# KiCad board UsbSourceMeasure.kicad_pcb (continued)
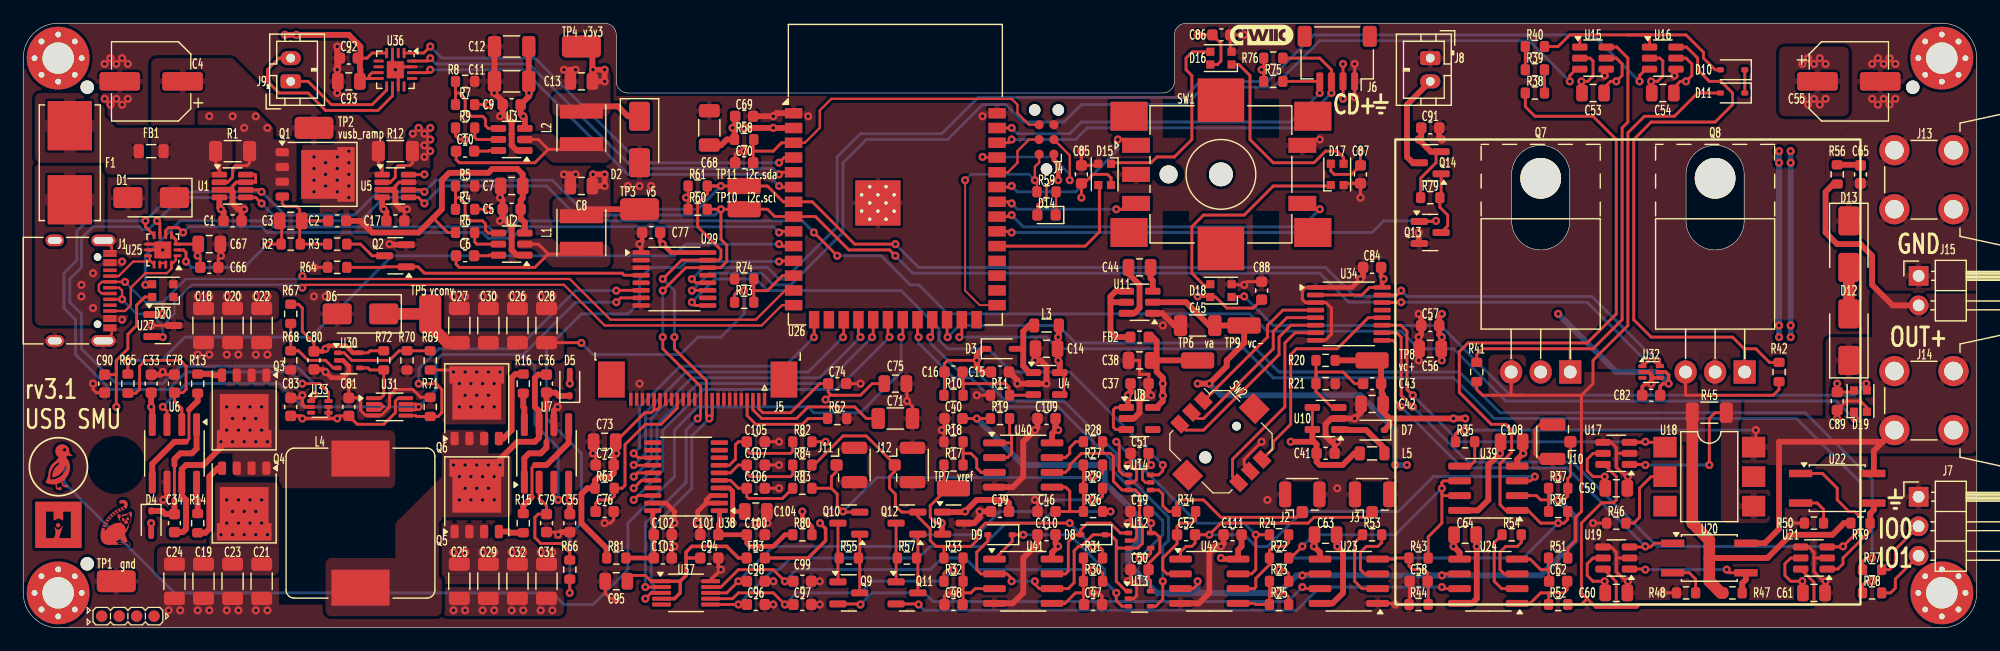
[diagram p0: board, top side]
## Library data of the parts (continued)
C66 = -: edg_part: CC0603KRX7R9BB104 (YAGEO); edg_path: pd.vdd_cap[0].cap; edg_refdes: C42
C67 = -: edg_part: CL21A106KAYNNNE (Samsung Electro-Mechanics); edg_path: pd.vdd_cap[1].cap; edg_refdes: C43
C68 = -: edg_part: CL31A226KPHNNNE (Samsung Electro-Mechanics); edg_path: mcu.vcc_cap0.cap; edg_refdes: C44
C69 = -: edg_part: CC0603KRX7R9BB104 (YAGEO); edg_path: mcu.vcc_cap1.cap; edg_refdes: C45
C70 = -: edg_part: CL10A105KB8NNNC (Samsung Electro-Mechanics); edg_path: mcu.en_pull.rc.c; edg_refdes: C46
C71 = -: edg_part: 1206B475K500NT (FH(Guangdong Fenghua Advanced Tech)); edg_path: oled.vcomh_cap.cap; edg_refdes: C47
C72 = -: edg_part: CC0603KRX7R9BB104 (YAGEO); edg_path: oled.vdd_cap1.cap; edg_refdes: C48
C73 = -: edg_part: CL21A475KAQNNNE (Samsung Electro-Mechanics); edg_path: oled.vdd_cap2.cap; edg_refdes: C49
C74 = -: edg_part: CC0603KRX7R9BB104 (YAGEO); edg_path: oled.vcc_cap1.cap; edg_refdes: C50
C75 = -: edg_part: GRM21BR61H106KE43L (Murata Electronics); edg_path: oled.vcc_cap2.cap; edg_refdes: C51
C78 = -: edg_part: 0603B151K500NT (FH(Guangdong Fenghua Advanced Tech)); edg_path: buck_rc.rc.c; edg_refdes: C52
C79 = -: edg_part: 0603B151K500NT (FH(Guangdong Fenghua Advanced Tech)); edg_path: boost_rc.rc.c; edg_refdes: C53
C81 = -: edg_part: CC0603KRX7R9BB104 (YAGEO); edg_path: conv_latch.vdd_cap.cap; edg_refdes: C55
C82 = -: edg_part: 0603B103K500NT (FH(Guangdong Fenghua Advanced Tech)); edg_path: pass_temp.vdd_cap.cap; edg_refdes: C56
C83 = -: edg_part: 0603B103K500NT (FH(Guangdong Fenghua Advanced Tech)); edg_path: conv_temp.vdd_cap.cap; edg_refdes: C57
C94 = -: edg_part: CC0603KRX7R9BB104 (YAGEO); edg_path: dac.vdd_cap[0].cap; edg_refdes: C59
C95 = -: edg_part: CL21A106KAYNNNE (Samsung Electro-Mechanics); edg_path: dac.vdd_cap[1].cap; edg_refdes: C60
C96 = -: edg_part: CC0603KRX7R9BB104 (YAGEO); edg_refdes: C61
C97 = -: edg_part: CC0603KRX7R9BB104 (YAGEO); edg_refdes: C62
C98 = -: edg_part: CC0603KRX7R9BB104 (YAGEO); edg_refdes: C63
C100 = -: edg_part: CC0603KRX7R9BB104 (YAGEO); edg_path: adc.avdd_cap_0.cap; edg_refdes: C64
C101 = -: edg_part: CC0603KRX7R9BB104 (YAGEO); edg_path: adc.avdd_cap_1.cap; edg_refdes: C65
C102 = -: edg_part: CC0603KRX7R9BB104 (YAGEO); edg_path: adc.dvdd_cap_0.cap; edg_refdes: C66
C103 = -: edg_part: CC0603KRX7R9BB104 (YAGEO); edg_path: adc.dvdd_cap_1.cap; edg_refdes: C67
C104 = -: edg_part: CL21A106KAYNNNE (Samsung Electro-Mechanics); edg_path: adc.vref_cap.cap; edg_refdes: C68
C105 = -: edg_part: 0603B103K500NT (FH(Guangdong Fenghua Advanced Tech)); edg_path: vcen_rc.rc.c; edg_refdes: C69
C106 = -: edg_part: 0603B103K500NT (FH(Guangdong Fenghua Advanced Tech)); edg_path: mv_rc.rc.c; edg_refdes: C71
C107 = -: edg_part: 0603B103K500NT (FH(Guangdong Fenghua Advanced Tech)); edg_path: mi_rc.rc.c; edg_refdes: C70
C108 = -: edg_part: CL21B104KCFNNNE (Samsung Electro-Mechanics); edg_path: vimeas_amps.vdd_cap.cap; edg_refdes: C72
C109 = -: edg_part: CC0603KRX7R9BB104 (YAGEO); edg_path: cv_amps.vdd_cap.cap; edg_refdes: C75
C110 = -: edg_part: CC0603KRX7R9BB104 (YAGEO); edg_path: ci_amps.vdd_cap.cap; edg_refdes: C76
C111 = -: edg_part: CC0603KRX7R9BB104 (YAGEO); edg_path: cintref_amps.vdd_cap.cap; edg_refdes: C77
D1 = -: edg_part: 1SMAF4753A (Shandong Jingdao Microelectronics); edg_path: prot_vusb.diode; edg_refdes: D1
D2 = -: edg_part: 1SMA4730AG (Shikues); edg_path: prot_3v3.diode; edg_refdes: D2
D4 = -: edg_part: 1N5819WS (Guangdong Hottech); edg_refdes: D3
D5 = -: edg_part: 1N5819WS (Guangdong Hottech); edg_refdes: D4
D6 = -: edg_part: 1SMAF4753A (Shandong Jingdao Microelectronics); edg_path: prot_conv.diode; edg_refdes: D5
D8 = -: edg_part: RB751V-40 (Yangzhou Yangjie Elec Tech); edg_refdes: D8
D9 = -: edg_part: RB751V-40 (Yangzhou Yangjie Elec Tech); edg_refdes: D9
D10 = -: edg_part: BZT52C9V1S (Shandong Jingdao Microelectronics); edg_refdes: D10
D11 = -: edg_part: BZT52C9V1S (Shandong Jingdao Microelectronics); edg_refdes: D11
D14 = -: edg_part: KT-0603R (Hubei KENTO Elec); edg_refdes: D12
FB3 = -: edg_part: EBMS160808K152 (HYHONGYEX); edg_path: dac_ferrite.fb; edg_refdes: FB2
H1 = -: edg_refdes: H1
H2 = -: edg_refdes: H2
H3 = -: edg_refdes: H3
J1 = -: edg_part: COM-15111 (Sparkfun); edg_path: usb.conn; edg_refdes: J1
J4 = -: edg_path: mcu.prog.conn; edg_refdes: J2
J6 = -: edg_part: SM04B-SRSS-TB (JST); edg_path: qwiic.conn; edg_refdes: J4
J7 = -: edg_part: PinHeader2.54 1x3 Horizontal (Generic); edg_path: dutio.conn; edg_refdes: J5
J8 = -: edg_part: B2B-PH-K (JST); edg_path: fan.conn; edg_refdes: J6
J13 = -: edg_part: CT3151-* (CalTest); edg_refdes: J13
J14 = -: edg_part: CT3151-* (CalTest); edg_refdes: J14
J15 = -: edg_part: PinHeader2.54 1x2 Horizontal (Generic); edg_refdes: J15
L4 = -: edg_part: SRP1265A-220M (BOURNS); edg_refdes: L2
Q13 = -: edg_part: 2N7002 (Changjiang Electronics Tech (CJ)); edg_refdes: Q7
Q14 = -: edg_part: AO3401A (Alpha & Omega Semicon); edg_refdes: Q8
R4 = -: edg_part: 0603WAF1102T5E (UNI-ROYAL(Uniroyal Elec)); edg_path: reg_v5.fb.div.top_res; edg_refdes: R1
R5 = -: edg_part: 0603WAF1501T5E (UNI-ROYAL(Uniroyal Elec)); edg_path: reg_v5.fb.div.bottom_res; edg_refdes: R2
R6 = -: edg_part: 0603WAF5103T5E (UNI-ROYAL(Uniroyal Elec)); edg_refdes: R3
R10 = -: edg_part: 0603WAF1103T5E (UNI-ROYAL(Uniroyal Elec)); edg_path: reg_v12.fb.div.top_res; edg_refdes: R8
R11 = -: edg_part: 0603WAF1202T5E (UNI-ROYAL(Uniroyal Elec)); edg_path: reg_v12.fb.div.bottom_res; edg_refdes: R9
R13 = -: edg_part: 0603WAF100JT5E (UNI-ROYAL(Uniroyal Elec)); edg_refdes: R4
R14 = -: edg_part: 0603WAF100JT5E (UNI-ROYAL(Uniroyal Elec)); edg_refdes: R5
R15 = -: edg_part: 0603WAF100JT5E (UNI-ROYAL(Uniroyal Elec)); edg_refdes: R6
R16 = -: edg_part: 0603WAF100JT5E (UNI-ROYAL(Uniroyal Elec)); edg_refdes: R7
R17 = -: edg_part: 0603WAF1003T5E (UNI-ROYAL(Uniroyal Elec)); edg_path: ref_div.div.top_res; edg_refdes: R10
R18 = -: edg_part: 0603WAF1003T5E (UNI-ROYAL(Uniroyal Elec)); edg_path: ref_div.div.bottom_res; edg_refdes: R11
R20 = -: edg_part: 0603WAF2703T5E (UNI-ROYAL(Uniroyal Elec)); edg_path: reg_vcontrol.fb.div.top_res; edg_refdes: R12
R21 = -: edg_part: 0603WAF1102T5E (UNI-ROYAL(Uniroyal Elec)); edg_path: reg_vcontrol.fb.div.bottom_res; edg_refdes: R13
R22 = -: edg_part: 0603WAF2203T5E (UNI-ROYAL(Uniroyal Elec)); edg_refdes: R14
R23 = -: edg_part: 0603WAF2203T5E (UNI-ROYAL(Uniroyal Elec)); edg_refdes: R15
R24 = -: edg_part: 0603WAF9101T5E (UNI-ROYAL(Uniroyal Elec)); edg_refdes: R16
R25 = -: edg_part: 0603WAF9101T5E (UNI-ROYAL(Uniroyal Elec)); edg_refdes: R17
R26 = -: edg_part: 0603WAF1002T5E (UNI-ROYAL(Uniroyal Elec)); edg_refdes: R22
R27 = -: edg_part: 0603WAF1002T5E (UNI-ROYAL(Uniroyal Elec)); edg_refdes: R23
R28 = -: edg_part: 0603WAF4701T5E (UNI-ROYAL(Uniroyal Elec)); edg_refdes: R24
R30 = -: edg_part: 0603WAF1002T5E (UNI-ROYAL(Uniroyal Elec)); edg_refdes: R25
R31 = -: edg_part: 0603WAF1002T5E (UNI-ROYAL(Uniroyal Elec)); edg_refdes: R26
R32 = -: edg_part: 0603WAF1002T5E (UNI-ROYAL(Uniroyal Elec)); edg_refdes: R28
R33 = -: edg_part: 0603WAF1002T5E (UNI-ROYAL(Uniroyal Elec)); edg_refdes: R29
R34 = -: edg_part: 0603WAF4701T5E (UNI-ROYAL(Uniroyal Elec)); edg_refdes: R31
R35 = -: edg_part: 0603WAF3602T5E (UNI-ROYAL(Uniroyal Elec)); edg_path: control.hvclamp.res; edg_refdes: R34
R36 = -: edg_part: 0603WAF3902T5E (UNI-ROYAL(Uniroyal Elec)); edg_refdes: R32
R37 = -: edg_part: 0603WAF2001T5E (UNI-ROYAL(Uniroyal Elec)); edg_refdes: R33
R53 = -: edg_part: 0603WAF9101T5E (UNI-ROYAL(Uniroyal Elec)); edg_refdes: R45
R58 = -: edg_part: 0603WAF1002T5E (UNI-ROYAL(Uniroyal Elec)); edg_path: mcu.en_pull.rc.r; edg_refdes: R47
R59 = -: edg_part: 0603WAF1001T5E (UNI-ROYAL(Uniroyal Elec)); edg_refdes: R48
R60 = -: edg_part: 0603WAF4701T5E (UNI-ROYAL(Uniroyal Elec)); edg_path: i2c_pull.scl_res.res; edg_refdes: R49
R61 = -: edg_part: 0603WAF4701T5E (UNI-ROYAL(Uniroyal Elec)); edg_path: i2c_pull.sda_res.res; edg_refdes: R50
R62 = -: edg_part: 0603WAJ0914T5E (UNI-ROYAL(Uniroyal Elec)); edg_refdes: R51
R65 = -: edg_part: 0603WAF1500T5E (UNI-ROYAL(Uniroyal Elec)); edg_path: buck_rc.rc.r; edg_refdes: R52
R66 = -: edg_part: 0603WAF1500T5E (UNI-ROYAL(Uniroyal Elec)); edg_path: boost_rc.rc.r; edg_refdes: R53
R71 = -: edg_part: 0603WAF1002T5E (UNI-ROYAL(Uniroyal Elec)); edg_path: conv_en_pull.res; edg_refdes: R58
R72 = -: edg_part: 0603WAF1002T5E (UNI-ROYAL(Uniroyal Elec)); edg_path: comp_pull.res; edg_refdes: R59
R73 = -: edg_part: 0603WAF1203T5E (UNI-ROYAL(Uniroyal Elec)); edg_path: conv_sense.div.top_res; edg_refdes: R60
R74 = -: edg_part: 0603WAF1002T5E (UNI-ROYAL(Uniroyal Elec)); edg_path: conv_sense.div.bottom_res; edg_refdes: R61
R75 = -: edg_part: 0603WAF4701T5E (UNI-ROYAL(Uniroyal Elec)); edg_path: qwiic_pull.scl_res.res; edg_refdes: R65
R76 = -: edg_part: 0603WAF4701T5E (UNI-ROYAL(Uniroyal Elec)); edg_path: qwiic_pull.sda_res.res; edg_refdes: R66
R79 = -: edg_part: 0603WAF1002T5E (UNI-ROYAL(Uniroyal Elec)); edg_refdes: R67
R80 = -: edg_part: 0603WAF100JT5E (UNI-ROYAL(Uniroyal Elec)); edg_path: adc.avdd_res.res; edg_refdes: R71
R81 = -: edg_part: 0603WAF100JT5E (UNI-ROYAL(Uniroyal Elec)); edg_path: adc.dvdd_res.res; edg_refdes: R72
R82 = -: edg_part: 0603WAF1001T5E (UNI-ROYAL(Uniroyal Elec)); edg_path: vcen_rc.rc.r; edg_refdes: R74
R83 = -: edg_part: 0603WAF1001T5E (UNI-ROYAL(Uniroyal Elec)); edg_path: mv_rc.rc.r; edg_refdes: R78
R84 = -: edg_part: 0603WAF1001T5E (UNI-ROYAL(Uniroyal Elec)); edg_path: mi_rc.rc.r; edg_refdes: R76
SW1 = -: edg_part: PEC11S-929K-S0015 (Bourns); edg_path: enc.package; edg_refdes: SW1
SW2 = -: edg_part: SKRHABE010 (Alps Alpine); edg_path: dir.package; edg_refdes: SW2
TP1 = -: edg_part: 5015 (Keystone); edg_path: tp_gnd.tp; edg_refdes: TP1; edg_short_path: tp_gnd
TP2 = -: edg_part: 5015 (Keystone); edg_path: tp_vusb.tp; edg_refdes: TP2; edg_short_path: tp_vusb
TP3 = -: edg_part: 5015 (Keystone); edg_path: tp_v5.tp; edg_refdes: TP3; edg_short_path: tp_v5
TP4 = -: edg_part: 5015 (Keystone); edg_path: tp_3v3.tp; edg_refdes: TP4; edg_short_path: tp_3v3
TP5 = -: edg_part: 5015 (Keystone); edg_path: tp_conv.tp; edg_refdes: TP5; edg_short_path: tp_conv
TP6 = -: edg_part: 5015 (Keystone); edg_path: tp_analog.tp; edg_refdes: TP7; edg_short_path: tp_analog
TP7 = -: edg_part: 5015 (Keystone); edg_path: tp_vref.tp; edg_refdes: TP8; edg_short_path: tp_vref
TP8 = -: edg_part: 5015 (Keystone); edg_path: tp_vcontrol.tp; edg_refdes: TP9; edg_short_path: tp_vcontrol
TP9 = -: edg_part: 5015 (Keystone); edg_path: tp_vcontroln.tp; edg_refdes: TP10; edg_short_path: tp_vcontroln
TP10 = -: edg_part: 5015 (Keystone); edg_path: i2c_tp.tp_scl.tp; edg_refdes: TP11; edg_short_path: i2c_tp.tp_scl
TP11 = -: edg_part: 5015 (Keystone); edg_path: i2c_tp.tp_sda.tp; edg_refdes: TP12; edg_short_path: i2c_tp.tp_sda
U2 = -: edg_part: TPS54202H (Texas Instruments); edg_refdes: U1
U4 = -: edg_part: LM2733X (Texas Instruments); edg_refdes: U5
U6 = -: edg_part: NCP3420 (ON Semiconductor); edg_refdes: U3
U7 = -: edg_part: NCP3420 (ON Semiconductor); edg_refdes: U4
U8 = -: edg_part: AP2210K-3.3 (Diodes Incorporated); edg_refdes: U6
U9 = -: edg_part: REF3033 (Texas Instruments); edg_refdes: U7
U10 = -: edg_part: LM2733X (Texas Instruments); edg_refdes: U8
U11 = -: edg_part: LM2664 (Texas Instruments); edg_refdes: U9
U14 = -: edg_part: NLAS4157 (ON Semiconductor); edg_path: control.off_sw.device.ic; edg_refdes: U10
U25 = -: edg_part: FUSB302B11MPX (ON Semiconductor); edg_refdes: U16
U26 = -: edg_part: ESP32-S3-WROOM-1-N16R8 (Espressif Systems); edg_refdes: U17
U27 = -: edg_part: PESD5V0X1BT (Nexperia); edg_refdes: U18
U28 = -: edg_part: ER-OLED022-1 (EastRising); edg_refdes: U19
U32 = -: edg_part: TMP1075N (Texas Instruments); edg_refdes: U22
U33 = -: edg_part: TMP1075N (Texas Instruments); edg_refdes: U23
U35 = -: edg_refdes: U25
U37 = -: edg_part: MCP4728-E/UN (Microchip Technology); edg_refdes: U26
U38 = -: edg_part: MCP3562-*/ST (Microchip Technology); edg_refdes: U27
U39 = -: edg_part: OPA2197IDR (Texas Instruments); edg_refdes: U28
U40 = -: edg_part: TLV9152IDR (Texas Instruments); edg_refdes: U31
U41 = -: edg_part: TLV9152IDR (Texas Instruments); edg_refdes: U32
U42 = -: edg_part: TLV9152IDR (Texas Instruments); edg_refdes: U33

## Footprints (pads in the part's own frame, mm; a bottom-side part is the same pattern mirrored in y, then rotated)
C_0603_1608Metric
  rrect 0.9x0.95 smd: 1(-0.775,0) 2(0.775,0)
C_0805_2012Metric
  rrect 1x1.45 smd: 1(-0.95,0) 2(0.95,0)
C_1206_3216Metric
  rrect 1.15x1.8 smd: 1(-1.475,0) 2(1.475,0)
CalTest_CT3151
  round 2.6 hole 1.6: 1(0,0) 1(0,-5.08) 1(5.08,0) 1(5.08,-5.08)
CP_Elec_6.3x7.7
  rrect 3.5x1.6 smd: 1(-2.7,0) 2(2.7,0)
D_SMA
  rrect 2.5x1.8 smd: 1(-2,0) 2(2,0)
D_SOD-323
  rrect 0.6x0.45 smd: 1(-1.05,0) 2(1.05,0)
DirectionSwitch_Alps_SKRH
  round 0.75 hole 0.75 unplated: (0,1.9)
  round 1.05 hole 1.05 unplated: (0,-1.9)
  rect 1.35x1 smd: 1(-3.575,1.425) 2(-3.575,0) 3(-3.575,-1.425) 4(3.575,1.425) 5(3.575,0) 6(3.575,-1.425)
  rect 2x1.8 smd: MP(0,4.05) MP(0,-4.05)
ESP32-S3-WROOM-1
  rect 0.9x0.9 smd: (-2.9,-1.06) (-2.9,-2.46) (-2.9,-3.86) (-1.5,-1.06) (-1.5,-2.46) (-1.5,-3.86) (-0.1,-1.06) (-0.1,-2.46) (-0.1,-3.86)
  rect 1.5x0.9 smd: 1(-8.75,5.26) 2(-8.75,3.99) 3(-8.75,2.72) 4(-8.75,1.45) 5(-8.75,0.18) 6(-8.75,-1.09) 7(-8.75,-2.36) 8(-8.75,-3.63) 9(-8.75,-4.9) 10(-8.75,-6.17) 11(-8.75,-7.44) 12(-8.75,-8.71) 13(-8.75,-9.98) 14(-8.75,-11.25) 27(8.75,-11.25) 28(8.75,-9.98) 29(8.75,-8.71) 30(8.75,-7.44) 31(8.75,-6.17) 32(8.75,-4.9) 33(8.75,-3.63) 34(8.75,-2.36) 35(8.75,-1.09) 36(8.75,0.18) 37(8.75,1.45) 38(8.75,2.72) 39(8.75,3.99) 40(8.75,5.26)
  rect 0.9x1.5 smd: 15(-6.985,-12.5) 16(-5.715,-12.5) 17(-4.445,-12.5) 18(-3.175,-12.5) 19(-1.905,-12.5) 20(-0.635,-12.5) 21(0.635,-12.5) 22(1.905,-12.5) 23(3.175,-12.5) 24(4.445,-12.5) 25(5.715,-12.5) 26(6.985,-12.5)
  round 0.6 hole 0.3: 41(-2.9,-1.76) 41(-2.9,-3.16) 41(-2.2,-1.06) 41(-2.2,-2.46) 41(-2.2,-3.86) 41(-1.5,-1.76) 41(-1.5,-3.16) 41(-0.8,-1.06) 41(-0.8,-2.46) 41(-0.8,-3.86) 41(-0.1,-1.76) 41(-0.1,-3.16)
  rect 3.9x3.9 smd: 41(-1.5,-2.46)
Fuseholder_Littelfuse_Nano2_154x
  rect 4.24x3.81 smd: 1(-3.185,0) 2(3.185,0)
JlcToolingHole_1.152mm
  round 1.152 hole 1.152 unplated: (0,0)
JST_PH_B2B-PH-K_1x02_P2.00mm_Vertical
  rrect 1.2x1.75 hole 0.75: 1(0,0)
  oval 1.2x1.75 hole 0.75: 2(2,0)
JST_SH_SM04B-SRSS-TB_1x04-1MP_P1.00mm_Horizontal
  rrect 0.6x1.55 smd: 1(-1.5,2) 2(-0.5,2) 3(0.5,2) 4(1.5,2)
  rrect 1.2x1.8 smd: MP(-2.8,-1.875) MP(2.8,-1.875)
L_0603_1608Metric
  rrect 0.875x0.95 smd: 1(-0.787,0) 2(0.787,0)
L_0805_2012Metric
  rrect 0.875x1.2 smd: 1(-1.062,0) 2(1.062,0)
L_Bourns_SRP1245A
  rect 3.1x5 smd: 1(-5.55,0) 2(5.55,0)
L_Taiyo-Yuden_NR-40xx
  rect 1.2x3.7 smd: 1(-1.4,0) 2(1.4,0)
LED_0603_1608Metric
  rrect 0.875x0.95 smd: 1(-0.787,0) 2(0.787,0)
LED_WS2812B-2020_PLCC4_2.0x2.0mm
  rect 0.7x0.7 smd: 1(-0.915,0.55) 2(-0.915,-0.55) 3(0.915,-0.55) 4(0.915,0.55)
MountingHole_2.7mm_M2.5_Pad_Via
  round 0.8 hole 0.5: 1(-2.025,0) 1(-1.432,1.432) 1(-1.432,-1.432) 1(0,2.025) 1(0,-2.025) 1(1.432,1.432) 1(1.432,-1.432) 1(2.025,0)
  round 5.4 hole 2.7: 1(0,0)
MSOP-10_3x3mm_P0.5mm
  rrect 1.625x0.35 smd: 1(-2.112,1) 2(-2.112,0.5) 3(-2.112,0) 4(-2.112,-0.5) 5(-2.112,-1) 6(2.112,-1) 7(2.112,-0.5) 8(2.112,0) 9(2.112,0.5) 10(2.112,1)
PinHeader_1x02_P2.54mm_Horizontal
  rect 1.7x1.7 hole 1: 1(0,0)
  oval 1.7x1.7 hole 1: 2(0,-2.54)
PinHeader_1x03_P2.54mm_Horizontal
  rect 1.7x1.7 hole 1: 1(0,0)
  oval 1.7x1.7 hole 1: 2(0,-2.54) 3(0,-5.08)
PQFN-8-EP_6x5mm_P1.27mm_Generic
  rect 0.6x0.9 smd: (-0.55,1.15) (-0.55,0) (-0.55,-1.15) (0.3,1.15) (0.3,0) (0.3,-1.15) (1.15,1.15) (1.15,0) (1.15,-1.15) (2,1.15) (2,0) (2,-1.15)
  rect 0.9x0.6 smd: (3,1.905) (3,0.635) (3,-0.635) (3,-1.905)
  rrect 1.15x0.7 smd: 1(-2.725,1.905) 2(-2.725,0.635) 3(-2.725,-0.635) 4(-2.725,-1.905)
  custom 4.6x4.7 smd: 5(0,0)
QFN-16-1EP_3x3mm_P0.5mm_EP1.45x1.45mm
  rrect 0.58x0.58 smd: (-0.36,0.36) (-0.36,-0.36) (0.36,0.36) (0.36,-0.36)
  rrect 0.875x0.25 smd: 1(-1.438,0.75) 2(-1.438,0.25) 3(-1.438,-0.25) 4(-1.438,-0.75) 9(1.438,-0.75) 10(1.438,-0.25) 11(1.438,0.25) 12(1.438,0.75)
  rrect 0.25x0.875 smd: 5(-0.75,-1.438) 6(-0.25,-1.438) 7(0.25,-1.438) 8(0.75,-1.438) 13(0.75,1.438) 14(0.25,1.438) 15(-0.25,1.438) 16(-0.75,1.438)
  rect 1.45x1.45 smd: 17(0,0)
R_0603_1608Metric
  rrect 0.8x0.95 smd: 1(-0.825,0) 2(0.825,0)
R_1206_3216Metric
  rrect 1.125x1.75 smd: 1(-1.462,0) 2(1.462,0)
RotaryEncoder_Bourns_PEC11S
  round 1.55 hole 2.2x1.55 unplated: (-4.5,0)
  round 2.05 hole 2.05 unplated: (0,0)
  rect 2.4x1.3 smd: A(-7.3,2.5) B(-7.3,-2.5) C(-7.3,0) S1(7,-2.5) S2(7,2.5)
  rect 3.2x2.5 smd: MP(-7.9,5) MP(-7.9,-5) MP(7.9,5) MP(7.9,-5)
  rect 4x3.75 smd: MP(0,6.375) MP(0,-6.375)
SMDIP-6_W7.62mm
  rect 2x1.78 smd: 1(-3.81,2.54) 2(-3.81,0) 3(-3.81,-2.54) 4(3.81,-2.54) 5(3.81,0) 6(3.81,2.54)
SO-4_4.4x3.6mm_P2.54mm
  rect 2x0.64 smd: 1(-3.15,1.27) 2(-3.15,-1.27) 3(3.15,-1.27) 4(3.15,1.27)
SOIC-8_3.9x4.9mm_P1.27mm
  rrect 1.95x0.6 smd: 1(-2.475,1.905) 2(-2.475,0.635) 3(-2.475,-0.635) 4(-2.475,-1.905) 5(2.475,-1.905) 6(2.475,-0.635) 7(2.475,0.635) 8(2.475,1.905)
SOT-23
  rrect 1.475x0.6 smd: 1(-0.938,0.95) 2(-0.938,-0.95) 3(0.938,0)
SOT-23-5
  rrect 1.325x0.6 smd: 1(-1.137,0.95) 2(-1.137,0) 3(-1.137,-0.95) 4(1.137,-0.95) 5(1.137,0.95)
SOT-23-6
  rrect 1.325x0.6 smd: 1(-1.137,0.95) 2(-1.137,0) 3(-1.137,-0.95) 4(1.137,-0.95) 5(1.137,0) 6(1.137,0.95)
SOT-23-8
  rrect 1.325x0.5 smd: 1(-1.137,0.975) 2(-1.137,0.325) 3(-1.137,-0.325) 4(-1.137,-0.975) 5(1.137,-0.975) 6(1.137,-0.325) 7(1.137,0.325) 8(1.137,0.975)
SOT-353_SC-70-5
  rrect 0.65x0.4 smd: 1(-0.95,0.65) 2(-0.95,0) 3(-0.95,-0.65) 4(0.95,-0.65) 5(0.95,0.65)
SOT-363_SC-70-6
  rrect 0.65x0.4 smd: 1(-0.95,0.65) 2(-0.95,0) 3(-0.95,-0.65) 4(0.95,-0.65) 5(0.95,0) 6(0.95,0.65)
SOT-563
  rrect 0.7x0.34 smd: 1(-0.75,0.5) 2(-0.75,0) 3(-0.75,-0.5) 4(0.75,-0.5) 5(0.75,0) 6(0.75,0.5)
Symbol_DucklingSolid
  custom 2.401x3.952 smd: 1(0.333,1.928)
Symbol_HiLabSolid
  custom 4x3.983 smd: 1(-2,1.991)
  custom 0.369x0.369 smd: 1(-0.025,0.147)
Symbol_LemurSolid
  custom 2.696x3.994 smd: 1(0,0)
Tag-Connect_TC2030-IDC-NL_2x03_P1.27mm_Vertical
  round 0.991 hole 0.991 unplated: (-2.54,0) (2.54,1.016) (2.54,-1.016)
  round 0.787 smd: 1(-1.27,-0.635) 2(-1.27,0.635) 3(0,-0.635) 4(0,0.635) 5(1.27,-0.635) 6(1.27,0.635)
TE_2-1734839-4_1x24-1MP_P0.5mm_Horizontal
  rect 0.3x1.1 smd: 1(-5.75,1.35) 2(-5.25,1.35) 3(-4.75,1.35) 4(-4.25,1.35) 5(-3.75,1.35) 6(-3.25,1.35) 7(-2.75,1.35) 8(-2.25,1.35) 9(-1.75,1.35) 10(-1.25,1.35) 11(-0.75,1.35) 12(-0.25,1.35) 13(0.25,1.35) 14(0.75,1.35) 15(1.25,1.35) 16(1.75,1.35) 17(2.25,1.35) 18(2.75,1.35) 19(3.25,1.35) 20(3.75,1.35) 21(4.25,1.35) 22(4.75,1.35) 23(5.25,1.35) 24(5.75,1.35)
  rect 2.3x3.1 smd: MP(-7.42,-0.35) MP(7.42,-0.35)
TestPoint_TE_RCT_0805
  rrect 3.35x1.9 smd: 1(0,0)
TestPoint_TE_RCT_0805#2
  rrect 2.85x1.4 smd: 1(0,0)
TO-220-3_Horizontal_TabUp
  oval 3.5x3.5 hole 3.5 unplated: (2.54,-16.66)
  rect 1.905x2 hole 1.1: 1(0,0)
  oval 1.905x2 hole 1.1: 2(2.54,0) 3(5.08,0)
TSSOP-16_4.4x5mm_P0.65mm
  rrect 1.475x0.4 smd: 1(-2.862,2.275) 2(-2.862,1.625) 3(-2.862,0.975) 4(-2.862,0.325) 5(-2.862,-0.325) 6(-2.862,-0.975) 7(-2.862,-1.625) 8(-2.862,-2.275) 9(2.862,-2.275) 10(2.862,-1.625) 11(2.862,-0.975) 12(2.862,-0.325) 13(2.862,0.325) 14(2.862,0.975) 15(2.862,1.625) 16(2.862,2.275)
TSSOP-20_4.4x6.5mm_P0.65mm
  rrect 1.475x0.4 smd: 1(-2.862,2.925) 2(-2.862,2.275) 3(-2.862,1.625) 4(-2.862,0.975) 5(-2.862,0.325) 6(-2.862,-0.325) 7(-2.862,-0.975) 8(-2.862,-1.625) 9(-2.862,-2.275) 10(-2.862,-2.925) 11(2.862,-2.925) 12(2.862,-2.275) 13(2.862,-1.625) 14(2.862,-0.975) 15(2.862,-0.325) 16(2.862,0.325) 17(2.862,0.975) 18(2.862,1.625) 19(2.862,2.275) 20(2.862,2.925)
U.FL_Hirose_U.FL-R-SMT-1_Vertical
  rrect 1.05x1 smd: 1(-1.05,0)
  rrect 2.2x1.05 smd: 2(0.475,1.475) 2(0.475,-1.475)
USB_C_Receptacle_XKB_U262-16XN-4BVC11
  round 0.65 hole 0.65 unplated: (-2.89,2.605) (2.89,2.605)
  rect 0.3x1.15 smd: A1(-3.35,3.67) A4(-2.55,3.67) A5(-1.25,3.67) A6(-0.25,3.67) A7(0.25,3.67) A8(1.25,3.67) A9(2.55,3.67) A12(3.35,3.67) B1(3.05,3.67) B4(2.25,3.67) B5(1.75,3.67) B6(0.75,3.67) B7(-0.75,3.67) B8(-1.75,3.67) B9(-2.25,3.67) B12(-3.05,3.67)
  oval 1x2.1 hole 0.6x1.7: S1(-4.32,3.105) S1(4.32,3.105)
  oval 1x1.6 hole 0.6x1.2: S1(-4.32,-1.075) S1(4.32,-1.075)
VSSOP-8_2.3x2mm_P0.5mm
  rrect 1.25x0.35 smd: 1(-1.4,0.75) 2(-1.4,0.25) 3(-1.4,-0.25) 4(-1.4,-0.75) 5(1.4,-0.75) 6(1.4,-0.25) 7(1.4,0.25) 8(1.4,0.75)
WQFN-14-1EP_2.5x2.5mm_P0.5mm_EP1.45x1.45mm
  rrect 0.58x0.58 smd: (-0.36,0.36) (-0.36,-0.36) (0.36,0.36) (0.36,-0.36)
  rrect 0.675x0.25 smd: 1(-1.262,0.5) 2(-1.262,0) 3(-1.262,-0.5) 8(1.262,-0.5) 9(1.262,0) 10(1.262,0.5)
  rrect 0.25x0.675 smd: 4(-0.75,-1.262) 5(-0.25,-1.262) 6(0.25,-1.262) 7(0.75,-1.262) 11(0.75,1.262) 12(0.25,1.262) 13(-0.25,1.262) 14(-0.75,1.262)
  rect 1.45x1.45 smd: 15(0,0)

## Nets
gnd: C1.2 C4.2 C5.2 C7.2 C8.2 C9.2 C11.2 C12.2 C13.2 C14.2 C15.2 C17.2 C18.2 C19.2 C20.2 C21.2 C22.2 C23.2 C24.2 C25.2 C26.2 C27.2 C28.2 C29.2 C30.2 C31.2 C32.2 C33.2 C35.2 C37.2 C38.2 C39.2 C40.2 C41.2 C42.2 C45.2 C46.2 C47.2 C48.2 C49.2 C50.2 C51.2 C55.2 C56.2 C57.2 C58.2 C59.2 C60.2 C61.2 C65.2 C66.2 C67.2 C68.2 C69.2 C70.2 C71.2 C72.2 C73.2 C74.2 C75.2 C76.2 C77.2 C78.2 C79.2 C80.2 C81.2 C82.2 C83.2 C84.2 C85.2 C86.2 C87.2 C88.2 C89.2 C90.2 C91.2 C92.2 C93.2 C94.2 C95.2 C96.2 C97.2 C98.2 C99.2 C100.2 C101.2 C102.2 C103.2 C104.2 C105.2 C106.2 C107.2 C109.2 C110.2 C111.2 D1.2 D2.2 D6.2 D13.1 D15.2 D16.2 D17.2 D18.2 D19.2 D20.2 J1.A1 J1.A12 J1.B1 J1.B12 J1.S1 J2.2 J3.2 J4.5 J5.1 J5.5 J5.6 J5.7 J5.8 J5.9 J5.13 J5.14 J5.15 J5.17 J5.18 J5.22 J5.23 J5.24 J6.1 J7.1 J8.1 J10.2 J11.2 J12.2 J13.1 J15.1 Q2.2 Q3.1 Q3.2 Q3.3 Q5.1 Q5.2 Q5.3 Q8.2 Q13.2 R5.2 R8.2 R11.2 R18.2 R21.2 R44.2 R46.2 R48.2 R50.2 R62.2 R64.1 R68.2 R70.2 R71.1 R74.2 SW1.C SW1.S2 SW2.5 TP1.1 U1.3 U1.7 U1.8 U2.1 U3.1 U4.2 U5.3 U5.7 U6.6 U7.6 U8.2 U9.3 U10.2 U11.1 U12.2 U13.2 U14.2 U15.4 U16.4 U17.2 U17.4 U19.2 U19.4 U21.2 U21.4 U23.1 U25.8 U25.9 U25.15 U26.1 U26.40 U26.41 U27.3 U29.1 U29.2 U29.3 U29.8 U30.2 U31.4 U32.2 U32.4 U33.2 U34.1 U34.3 U34.8 U36.3 U36.11 U36.15 U36.17 U37.10 U38.2 U38.3 U38.19 U40.4 U41.4 U42.4
v3v3: C1.1 C13.1 C17.1 C66.1 C67.1 C68.1 C69.1 C72.1 C73.1 C77.1 C80.1 C81.1 C82.1 C83.1 C84.1 D2.1 D14.2 J4.1 J5.19 J5.20 J6.2 L2.2 R7.1 R58.1 R60.1 R61.1 R63.1 R67.1 R72.1 R75.1 R76.1 R81.1 TP4.1 U1.4 U5.4 U5.8 U25.3 U25.4 U26.2 U29.16 U30.5 U31.8 U32.5 U33.4 U33.5 U34.2 U34.16
v5: C8.1 C14.1 C33.1 C35.1 C37.1 C39.1 C41.1 C85.1 C86.1 C87.1 C88.1 C89.1 C90.1 C91.1 C92.1 C93.1 D4.2 D5.2 D15.4 D16.4 D17.4 D18.4 D19.4 D20.4 L1.2 L3.1 L5.1 Q14.2 R4.1 R79.1 TP3.1 U4.4 U4.5 U6.4 U7.4 U8.1 U8.3 U9.1 U10.4 U10.5 U36.4 U36.7 U36.8
v12: C15.1 C16.1 C74.1 C75.1 D3.1 J5.2 R10.1
adc.cs: U26.15 U38.13
adc.ic.avdd: C100.1 C101.1 R80.2 U38.1
adc.ic.dvdd: C102.1 C103.1 R81.2 U38.20
adc.mclkin: U26.20 U38.18
adc.spi.miso: U26.19 U38.16
adc.spi.mosi: U26.18 U38.15
adc.spi.sck: U26.17 U38.14
adc.vins.3: U38.8
adc.vins.4: U38.9
adc.vins.5: U38.10
adc.vins.6: U38.11
adc.vins.7: U38.12
boost_rc.input: R66.1 U26.11
boost_rc.output: C79.1 R66.2 U7.2
buck_rc.input: R65.1 U26.10
buck_rc.output: C78.1 R65.2 U6.2
ci_amps.inp.0: C48.1 R32.2 R33.2 U41.3
ci_amps.inp.1: C47.1 R30.2 R31.2 U41.5
ci_amps.out.0: D9.1 U13.3 U41.1
ci_amps.out.1: D8.2 U12.1 U41.7
cintref_amps.inn.0: C52.2 R34.2 U42.2
cintref_amps.inn.1: R22.2 R24.2 U42.6
cintref_amps.inp.1: R23.2 R25.2 U42.5
cintref_amps.out.1: R24.1 U14.1 U42.7
control.drive: R23.1 R36.1 R38.1 U39.1
control.driver.clamp1.cathode: D10.1 D11.1
control.driver.high_fet.gate: Q7.1 R41.1 U15.6
control.driver.low_fet.gate: Q8.1 R42.1 U16.6
control.driver.out: D11.2 Q7.3 Q8.3 R41.2 R42.2 R45.1 R47.1 R49.1 R51.1
control.driver.res.b: D10.2 R40.2 U15.1 U16.1
control.driver.res.res[0].b: R38.2 R39.1
control.driver.res.res[1].b: R39.2 R40.1
control.high_gate_ctl: U15.3 U29.11
control.iclamp.r.a: Q11.1 Q12.3 R57.1
control.iclamp.r.b: Q11.3 Q12.1 R57.2
control.ifilt.outn: C62.2 R52.2 U24.1
control.ifilt.outp: C62.1 R51.2 U24.4
control.imeas.output: Q11.2 U24.7
control.imeas.rg.a: R54.1 U24.2
control.imeas.rg.b: R54.2 U24.3
control.int_link: J2.1 R34.1 U14.4
control.isense.ranges[0].isense.pwr_out: R45.2 U17.1 U18.4
control.isense.ranges[0].pwr_sw.res.a: R46.1 U18.2
control.isense.ranges[1].isense.pwr_out: R47.2 U19.1 U20.3
control.isense.ranges[1].pwr_sw.res.a: R48.1 U20.2
control.isense.ranges[2].isense.pwr_out: R49.2 U21.1 U22.3
control.isense.ranges[2].pwr_sw.res.a: R50.1 U22.2
control.isense.sense_out: R52.1 U17.6 U19.6 U21.6
control.limit_sink: U13.4 U26.23
control.limit_source: U12.4 U26.22
control.low_gate_ctl: U16.3 U29.12
control.meas_i: J12.1 Q12.2 R31.1 R33.1 R84.1
control.meas_v: J11.1 Q10.2 R27.1 R83.1
control.outa: R22.1 R43.1 U39.6 U39.7
control.snub_r.pwr_out: C65.1 R56.2
control.tp_int: C52.1 J3.1 U39.3 U42.1
control.tvs_p.ports.2: D12.2 D13.2
control.vclamp.r.a: Q9.1 Q10.3 R55.1
control.vclamp.r.b: Q9.3 Q10.1 R55.2
control.vdiv.output: C58.1 R43.2 R44.1 U23.4
control.vmeas.output: Q9.2 U23.7
control.vmeas.rg.a: R53.1 U23.2
control.vmeas.rg.b: R53.2 U23.3
conv.boost_sw.driver.ic.bst: C36.1 D5.1 U7.1
conv.boost_sw.high_gate_res.a: R16.1 U7.8
conv.boost_sw.high_gate_res.b: Q6.4 R16.2
conv.boost_sw.low_gate_res.a: R15.1 U7.5
conv.boost_sw.low_gate_res.b: Q5.4 R15.2
conv.buck_sw.driver.ic.bst: C34.1 D4.1 U6.1
conv.buck_sw.high_gate_res.a: R14.1 U6.8
conv.buck_sw.high_gate_res.b: Q4.4 R14.2
conv.buck_sw.low_gate_res.a: R13.1 U6.5
conv.buck_sw.low_gate_res.b: Q3.4 R13.2
conv.l1: C34.2 L4.1 Q3.5 Q4.1 Q4.2 Q4.3 U6.7
conv.l2: C36.2 L4.2 Q5.5 Q6.1 Q6.2 Q6.3 U7.7
conv_en_pull.io: R71.2 U29.6 U31.5
conv_latch.ic.out2: U31.2 U31.3
conv_latch.out: U6.3 U7.3 U29.7 U31.6 U31.7
conv_ovp.comp.inn: R67.2 R68.1 U30.3
conv_ovp.comp.inp: R69.2 R70.1 U30.1
conv_ovp.output: R72.2 U30.4 U31.1
conv_sense.output: R73.2 R74.1 U26.12
conv_temp.alert: U33.3
cv_amps.inn.1: D8.1 D9.2 R28.2 U12.3 U13.1 U14.3 U40.6 U41.2 U41.6
cv_amps.inp.1: C46.1 R26.2 R27.2 R29.2 U40.5
cv_amps.out.1: R28.1 U40.7
dac.out0: C96.1 R26.1 U37.6
dac.out1: C97.1 R32.1 U37.7
dac.out2: C98.1 R29.1 U37.8
dac.out3: C99.1 R30.1 U37.9
dac.rdy: U37.5
dac_ferrite.pwr_out: C94.1 C95.1 FB3.2 U37.1 U37.4
dir.a: SW2.1 U34.4
dir.b: SW2.4 U34.12
dir.c: SW2.3 U34.6
dir.center: SW2.2 U34.5
dir.d: SW2.6 U34.7
dut0_clamp.signal_out: R77.2 U26.24
dut1_clamp.signal_out: R78.2 U26.25
dutio.io0: J7.2 R77.1
dutio.io1: J7.3 R78.1
enc.a: SW1.A U26.35
enc.b: SW1.B U26.34
enc.sw: SW1.S1 U26.33
fan.pwr: J8.2 Q14.3
fan_drv.control: Q13.1 U26.32
fan_drv.pre.drain: Q13.3 Q14.1 R79.2
filt_vcontroln.pwr_out: FB2.2 U11.4 U11.5
filt_vusb.pwr_out: D1.1 FB1.2 R1.1 U1.1
fuse_vusb.pwr_out: F1.2 FB1.1
i2c_pull.i2c.scl: J5.12 R60.2 TP10.1 U1.5 U5.5 U25.6 U26.8 U29.14 U32.1 U33.1 U34.14 U37.2
i2c_pull.i2c.sda: J5.10 J5.11 R61.2 TP11.1 U1.6 U5.6 U25.7 U26.7 U29.15 U32.6 U33.6 U34.15 U37.3
ioe_ctl.io.off_0: U14.6 U29.9
ioe_ui.io.irange_0: U17.3 U18.1 U34.11
ioe_ui.io.irange_1: U19.3 U20.1 U34.9
ioe_ui.io.irange_2: U21.3 U22.1 U34.10
led.res.a: D14.1 R59.1
mcu.program_boot_node: J4.2 R59.2 U26.27
mcu.program_en_node: C70.1 J4.6 R58.2 U26.3
mcu.program_uart_node.a_tx: J4.3 U26.37
mcu.program_uart_node.b_tx: J4.4 U26.36
mi_rc.output: C107.1 R84.2 U38.6
mv_rc.output: C106.1 R83.2 U38.5
oled.device.vcomh: C71.1 J5.3
oled.iref_res.a: J5.4 R62.1
oled.reset: C76.1 J5.16 R63.2
outp.port: D12.1 J14.1 J15.2 R35.1 R56.1 U18.6 U20.4 U22.4
pass_temp.alert: U32.3
pd.ic.vconn: U25.12 U25.13
pd.int: U25.5 U26.9
qwiic_pull.i2c.scl: J6.4 R75.2 U26.39
qwiic_pull.i2c.sda: J6.3 R76.2 U26.38
ramp.ctl_fet.drain: Q2.3 R3.2
ramp.div.center: C2.2 C3.2 Q1.4 R2.2 R3.1
ramp_pull.io: Q2.1 R64.2 U29.4
ref_buf.output: R19.1 U40.1 U40.2
